# Altium PCB COPY_HIVE_BOARD.PcbDoc (part 1 of 9) (continued)
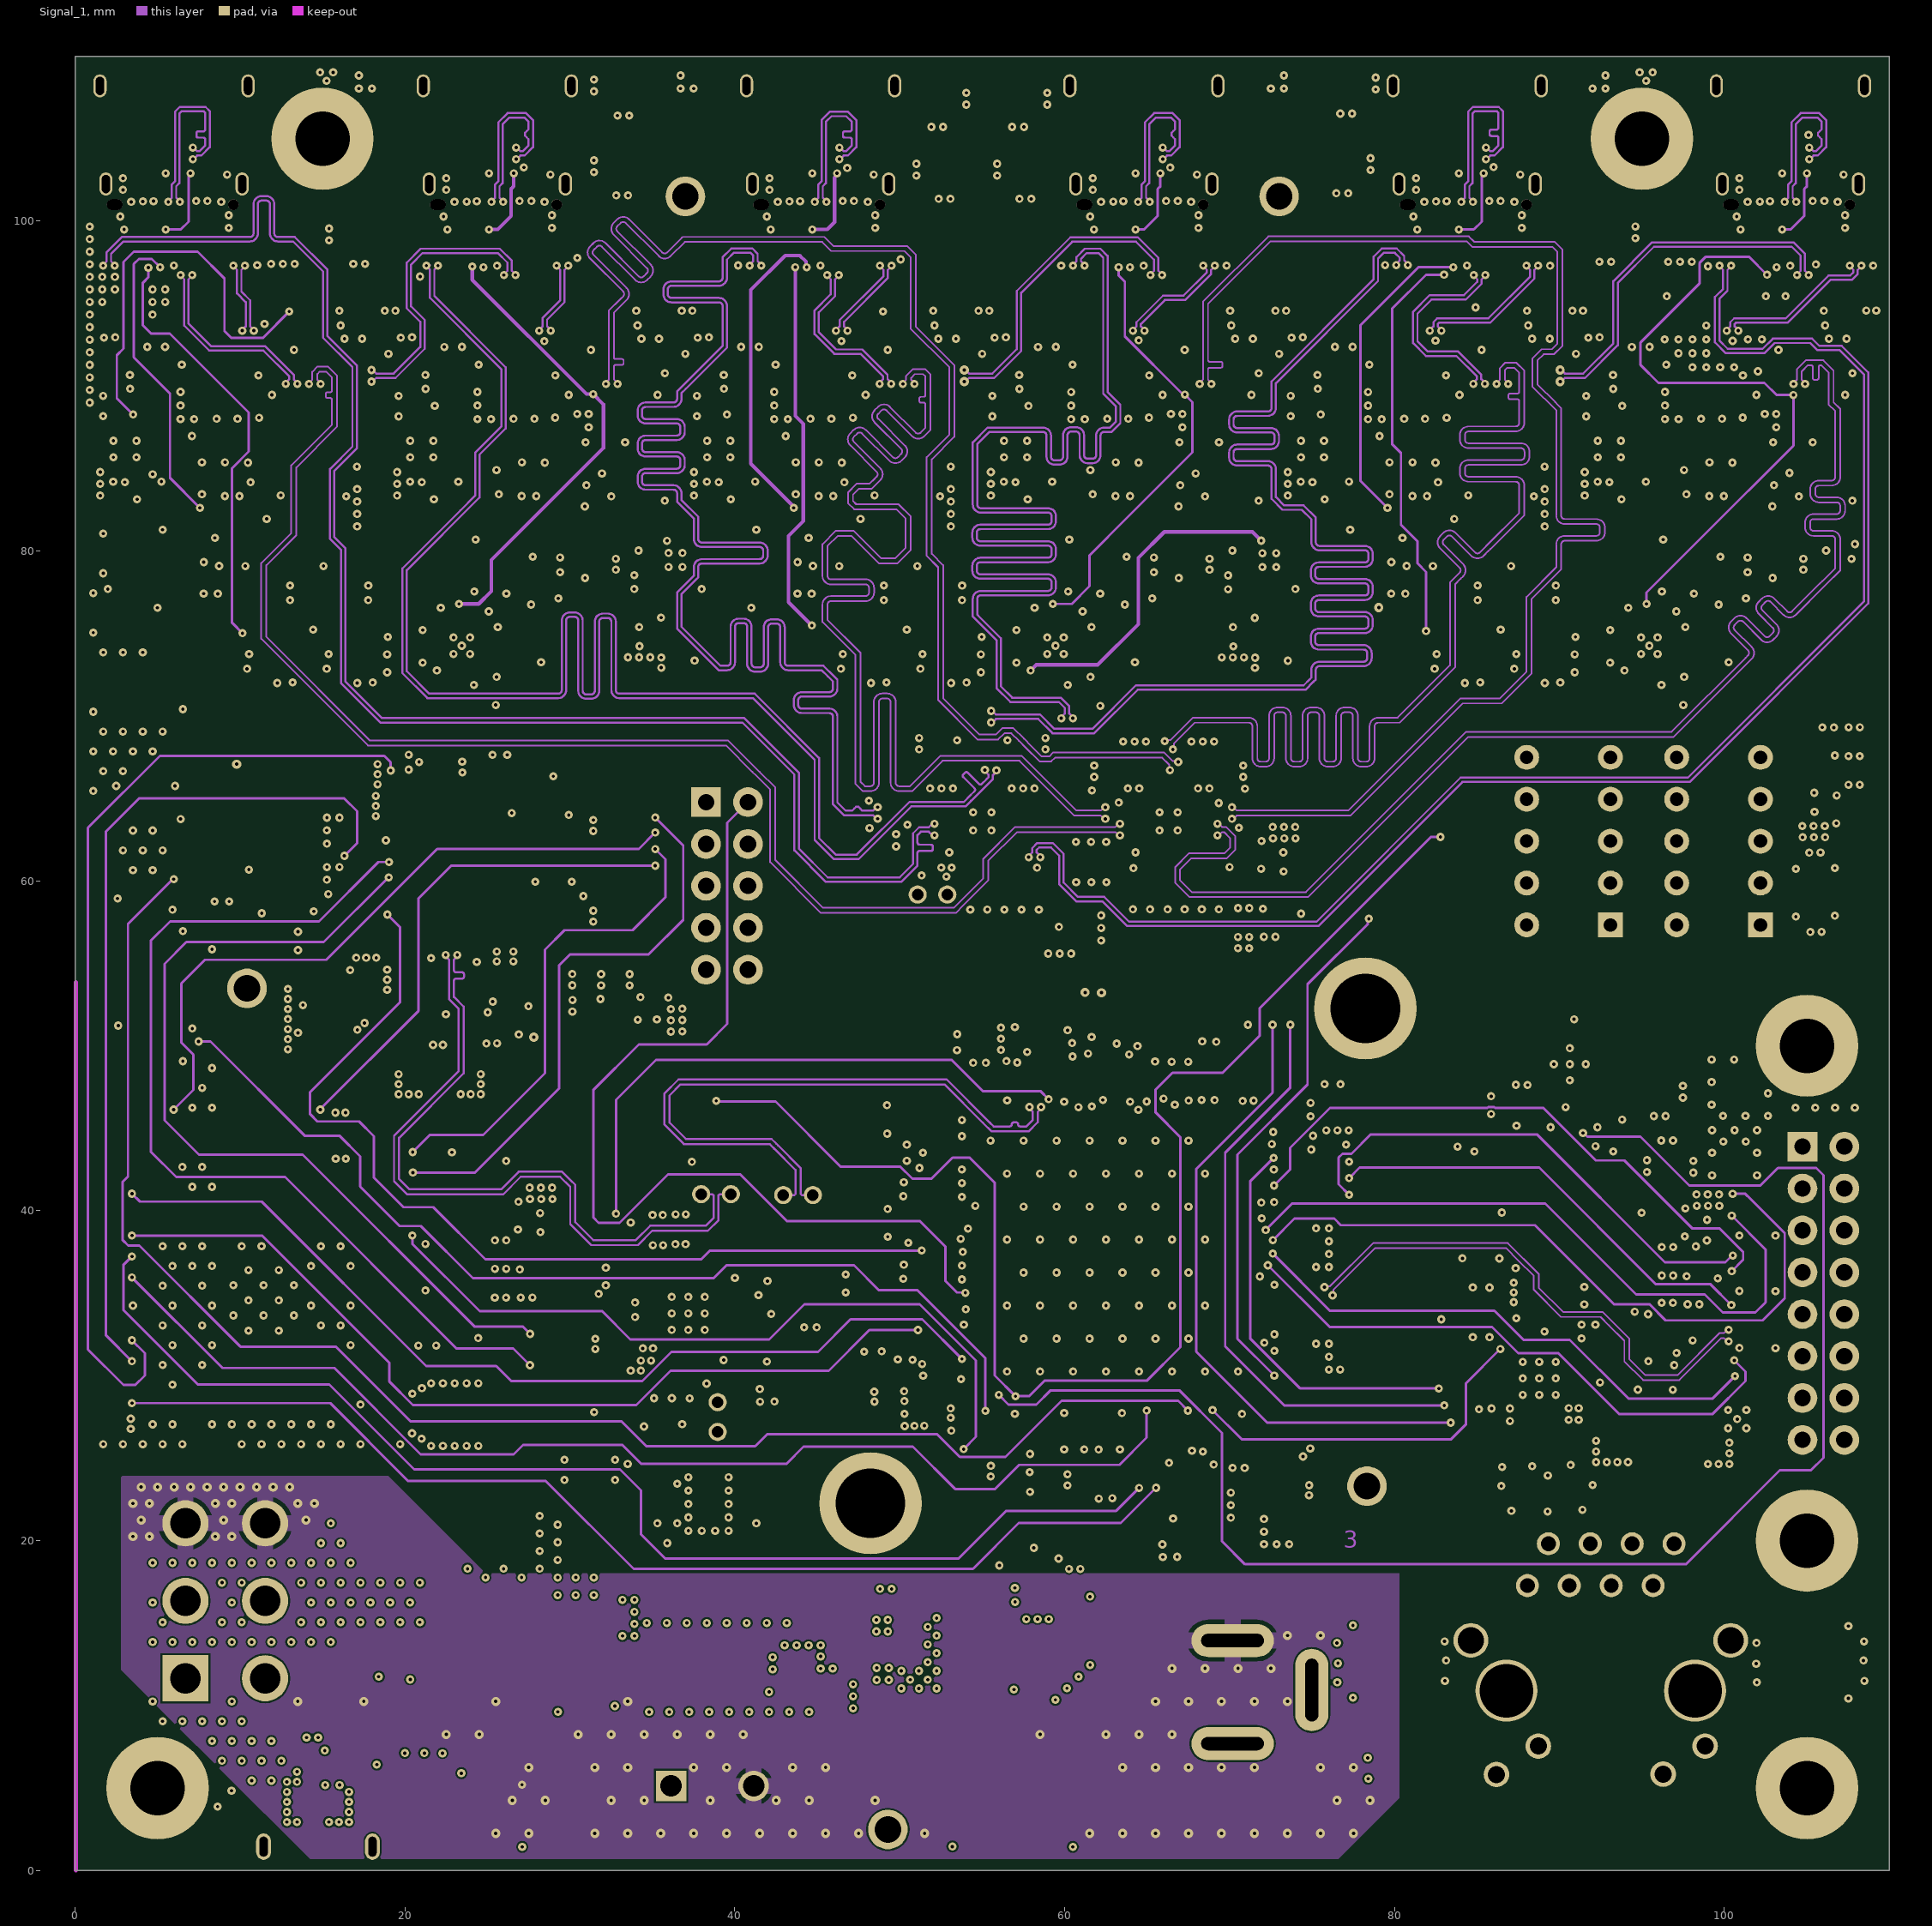
[diagram p3: Signal_1]
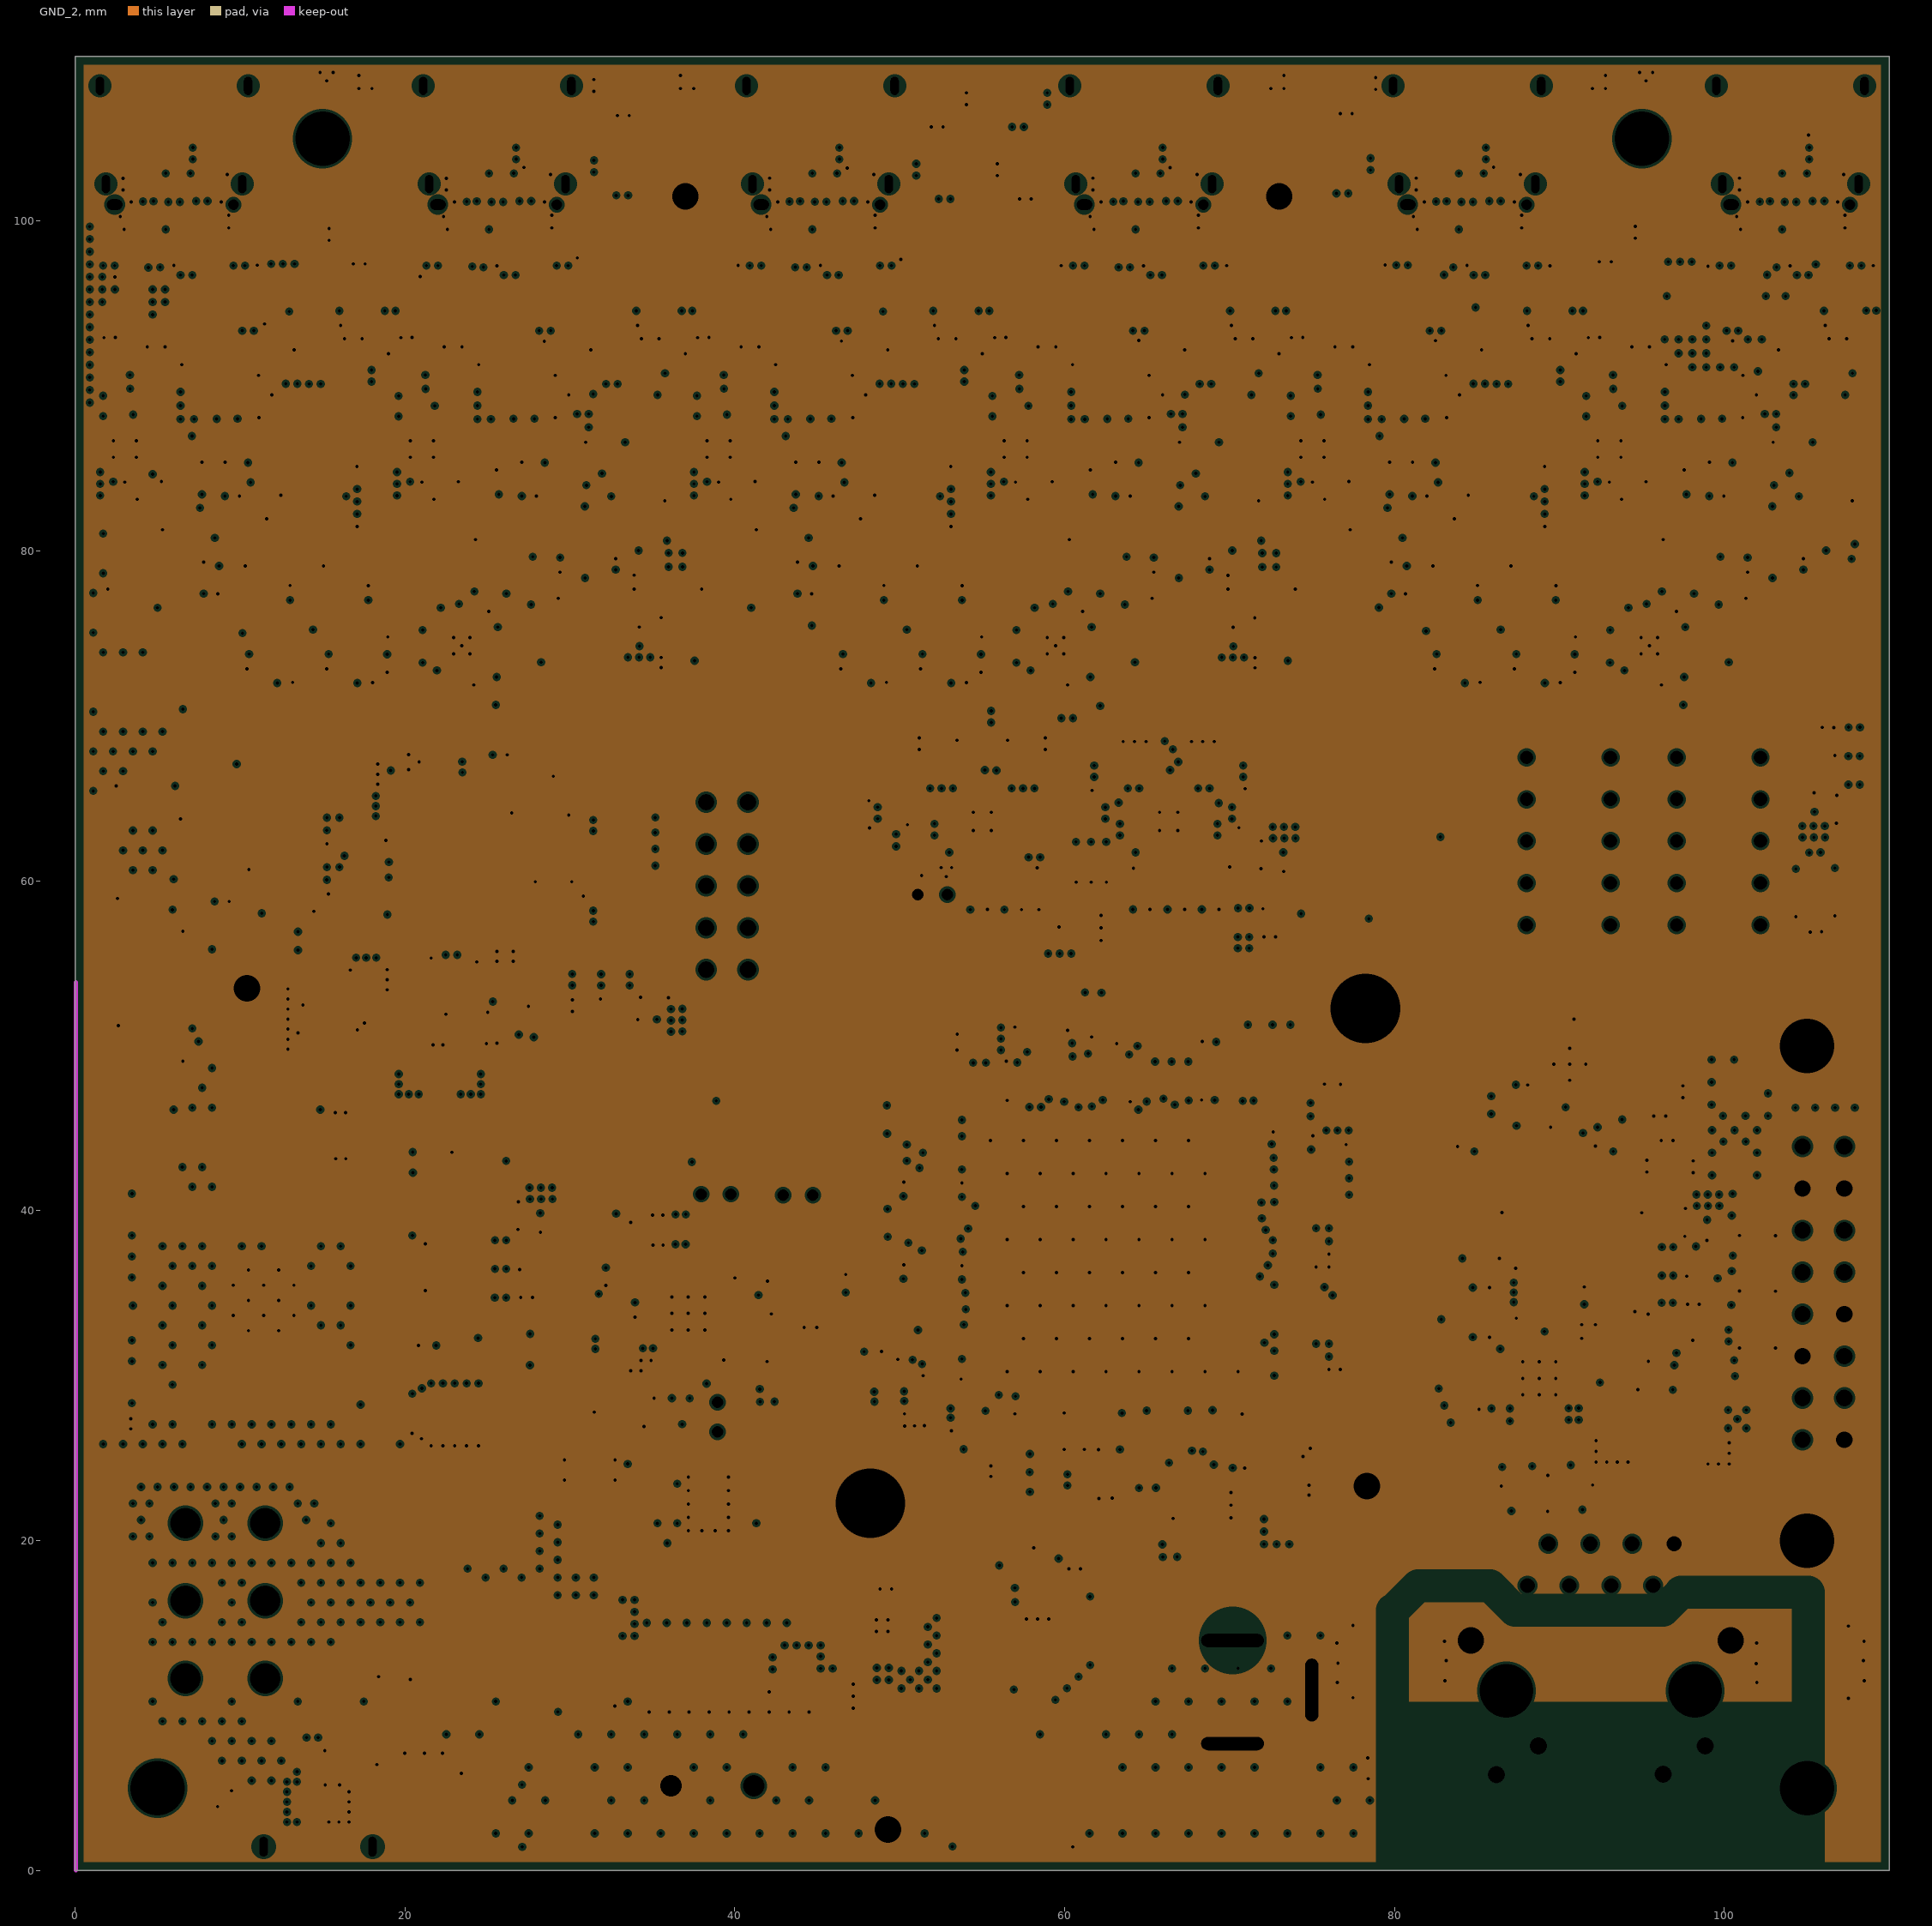
[diagram p4: GND_2, clearances drawn from the general rule]
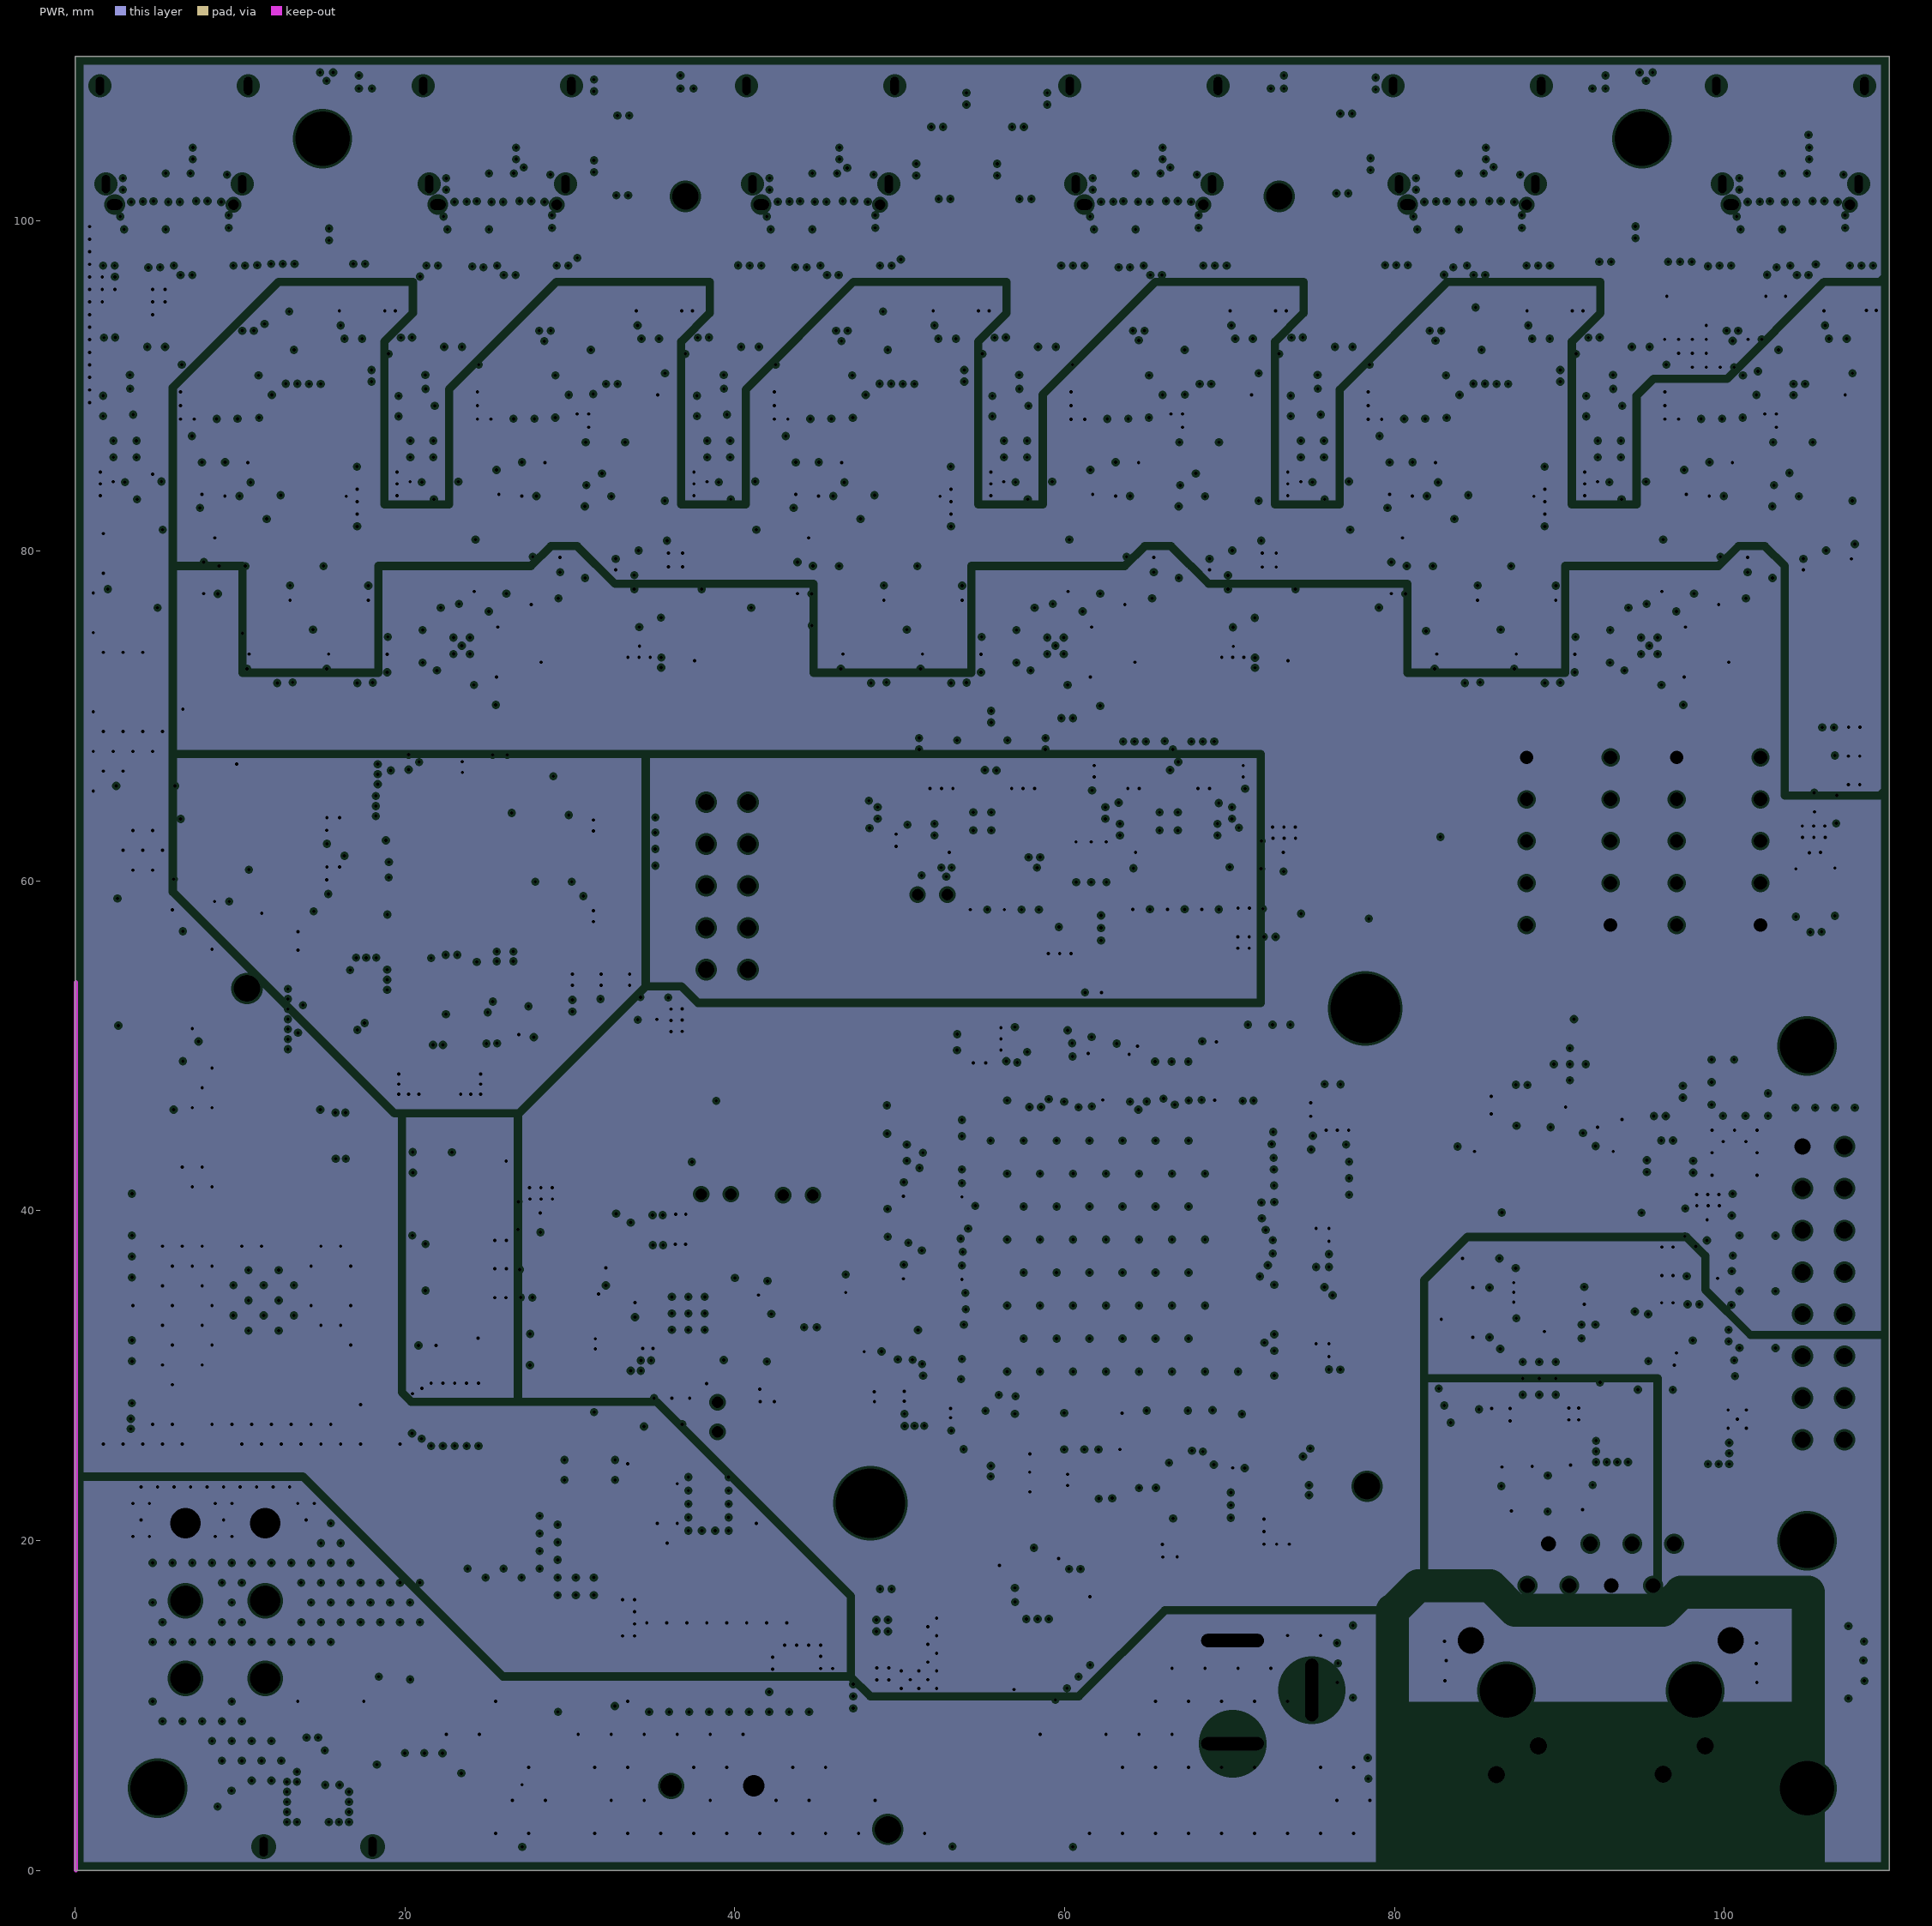
[diagram p5: PWR, clearances drawn from the general rule]
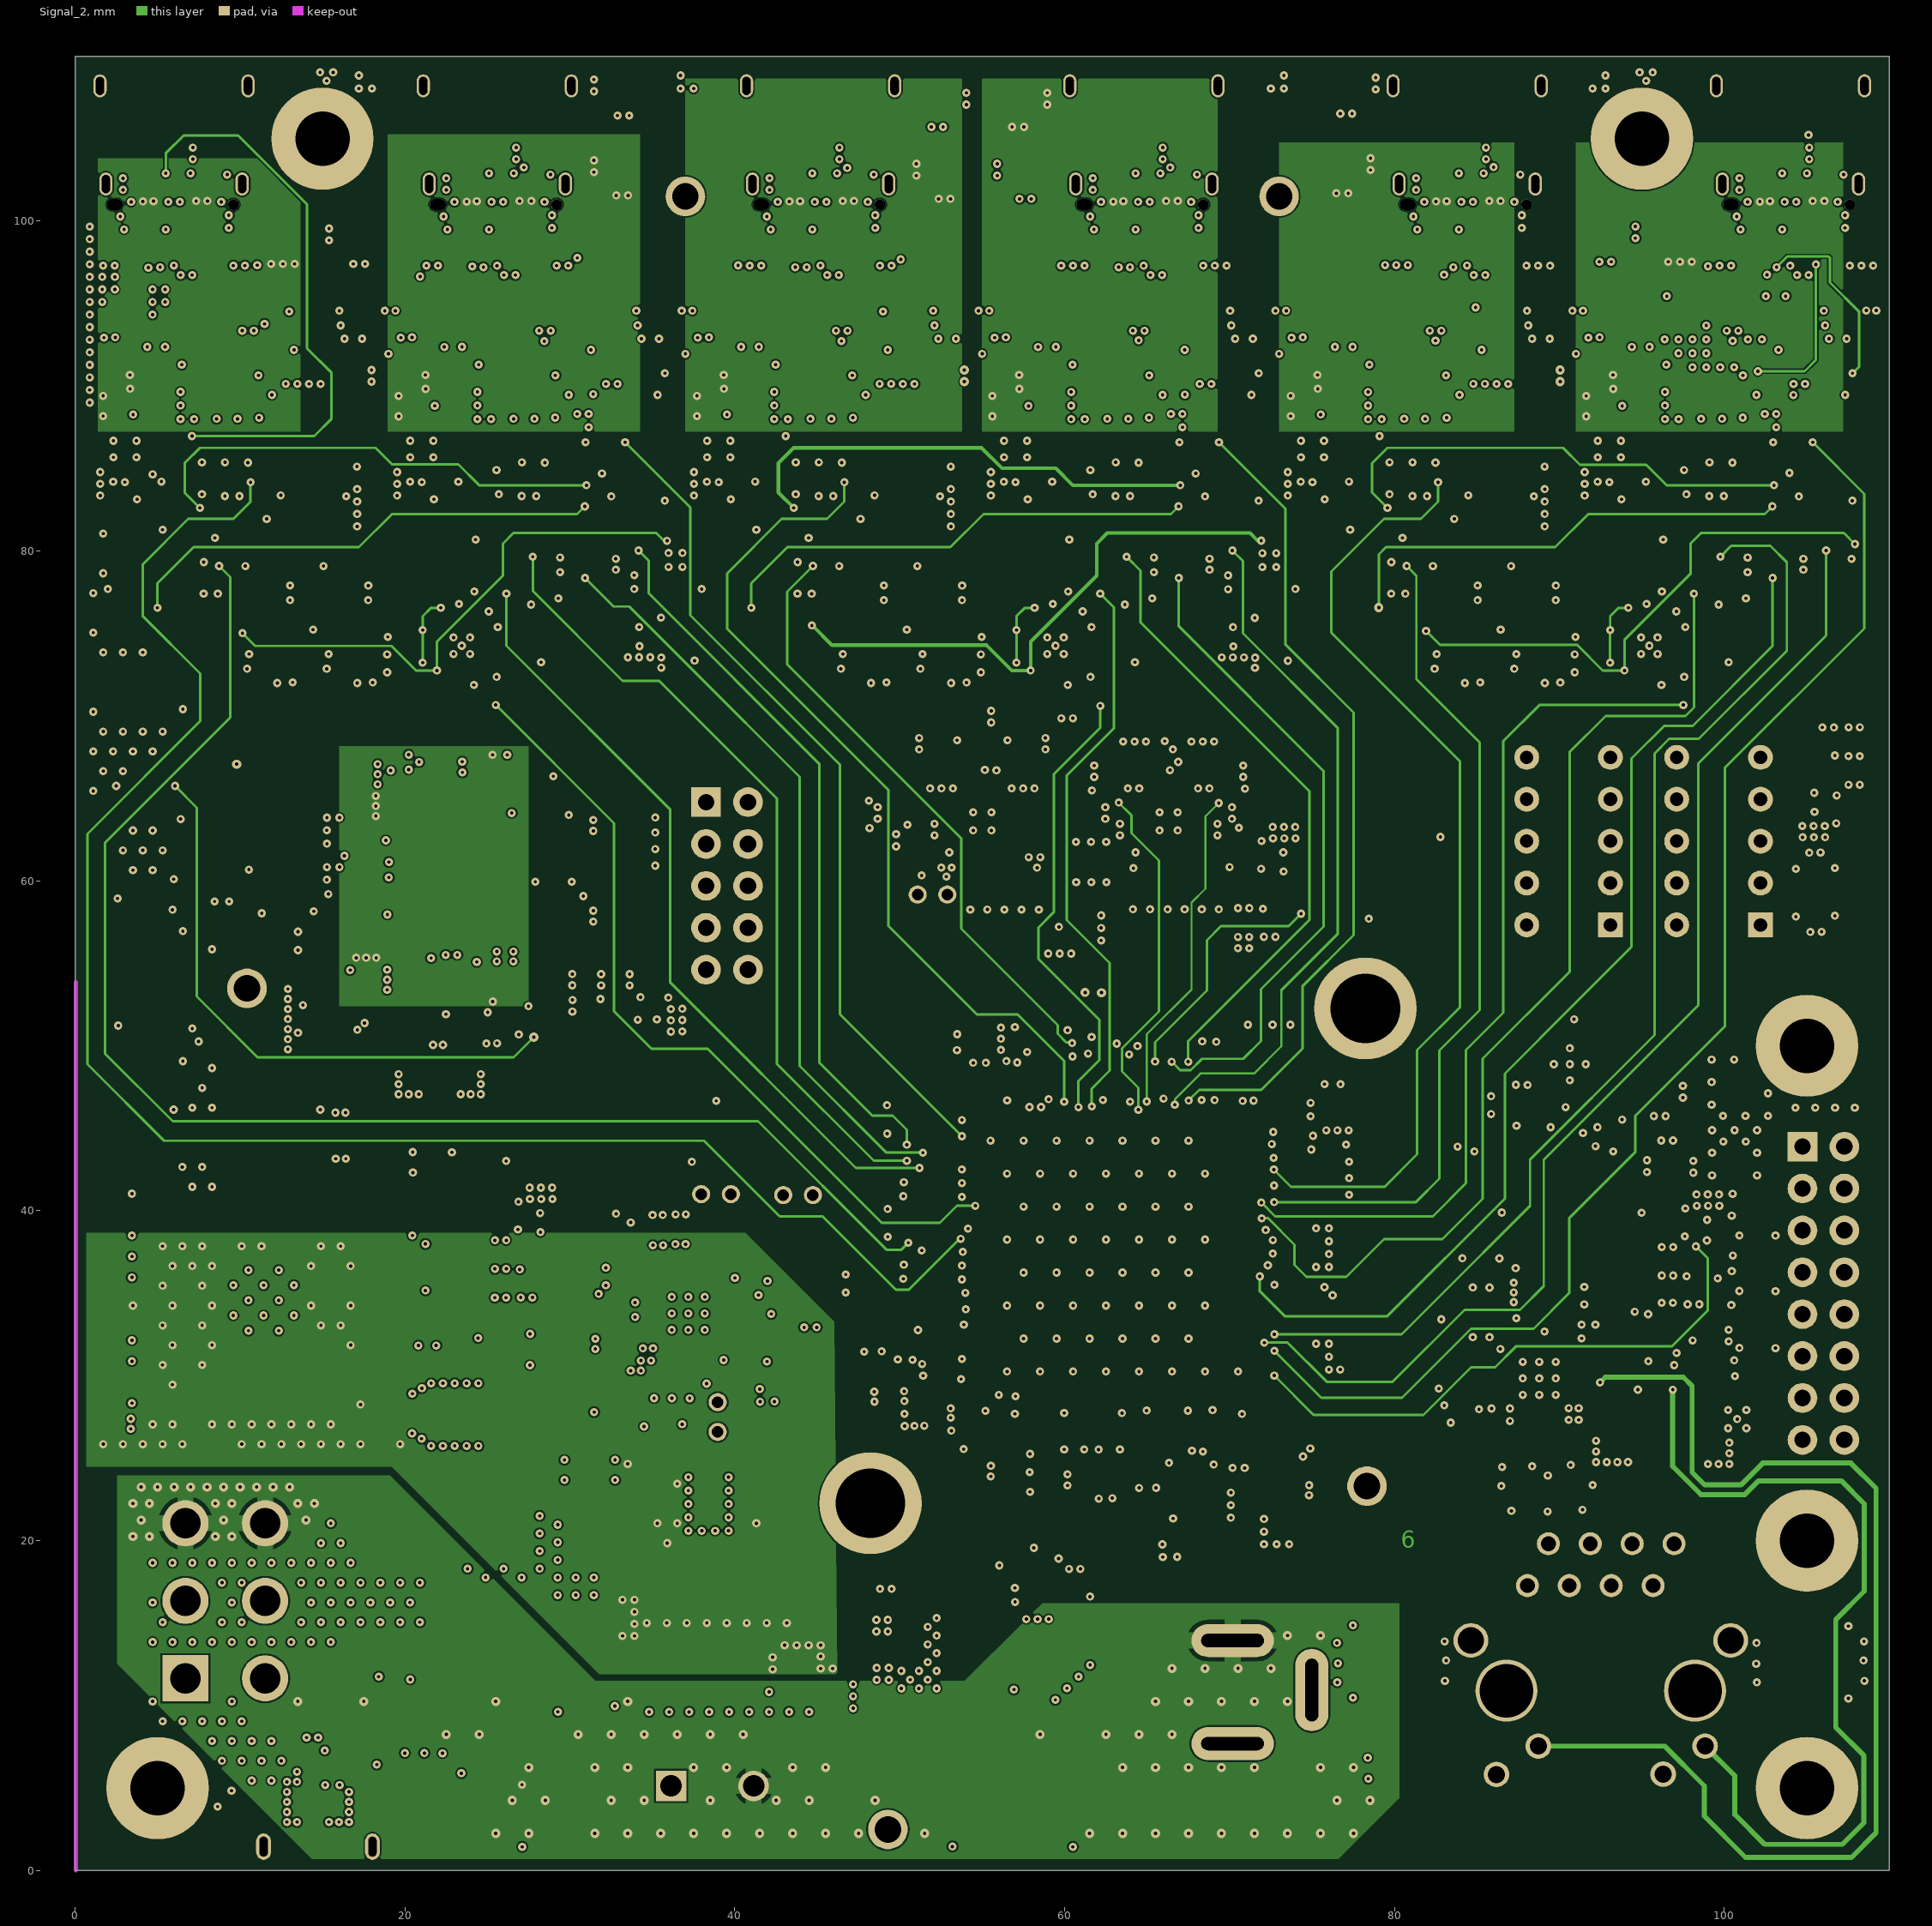
[diagram p6: Signal_2]